# Allegro board 1155001-Timing_board_V3_20241024_1805_pcb.brd
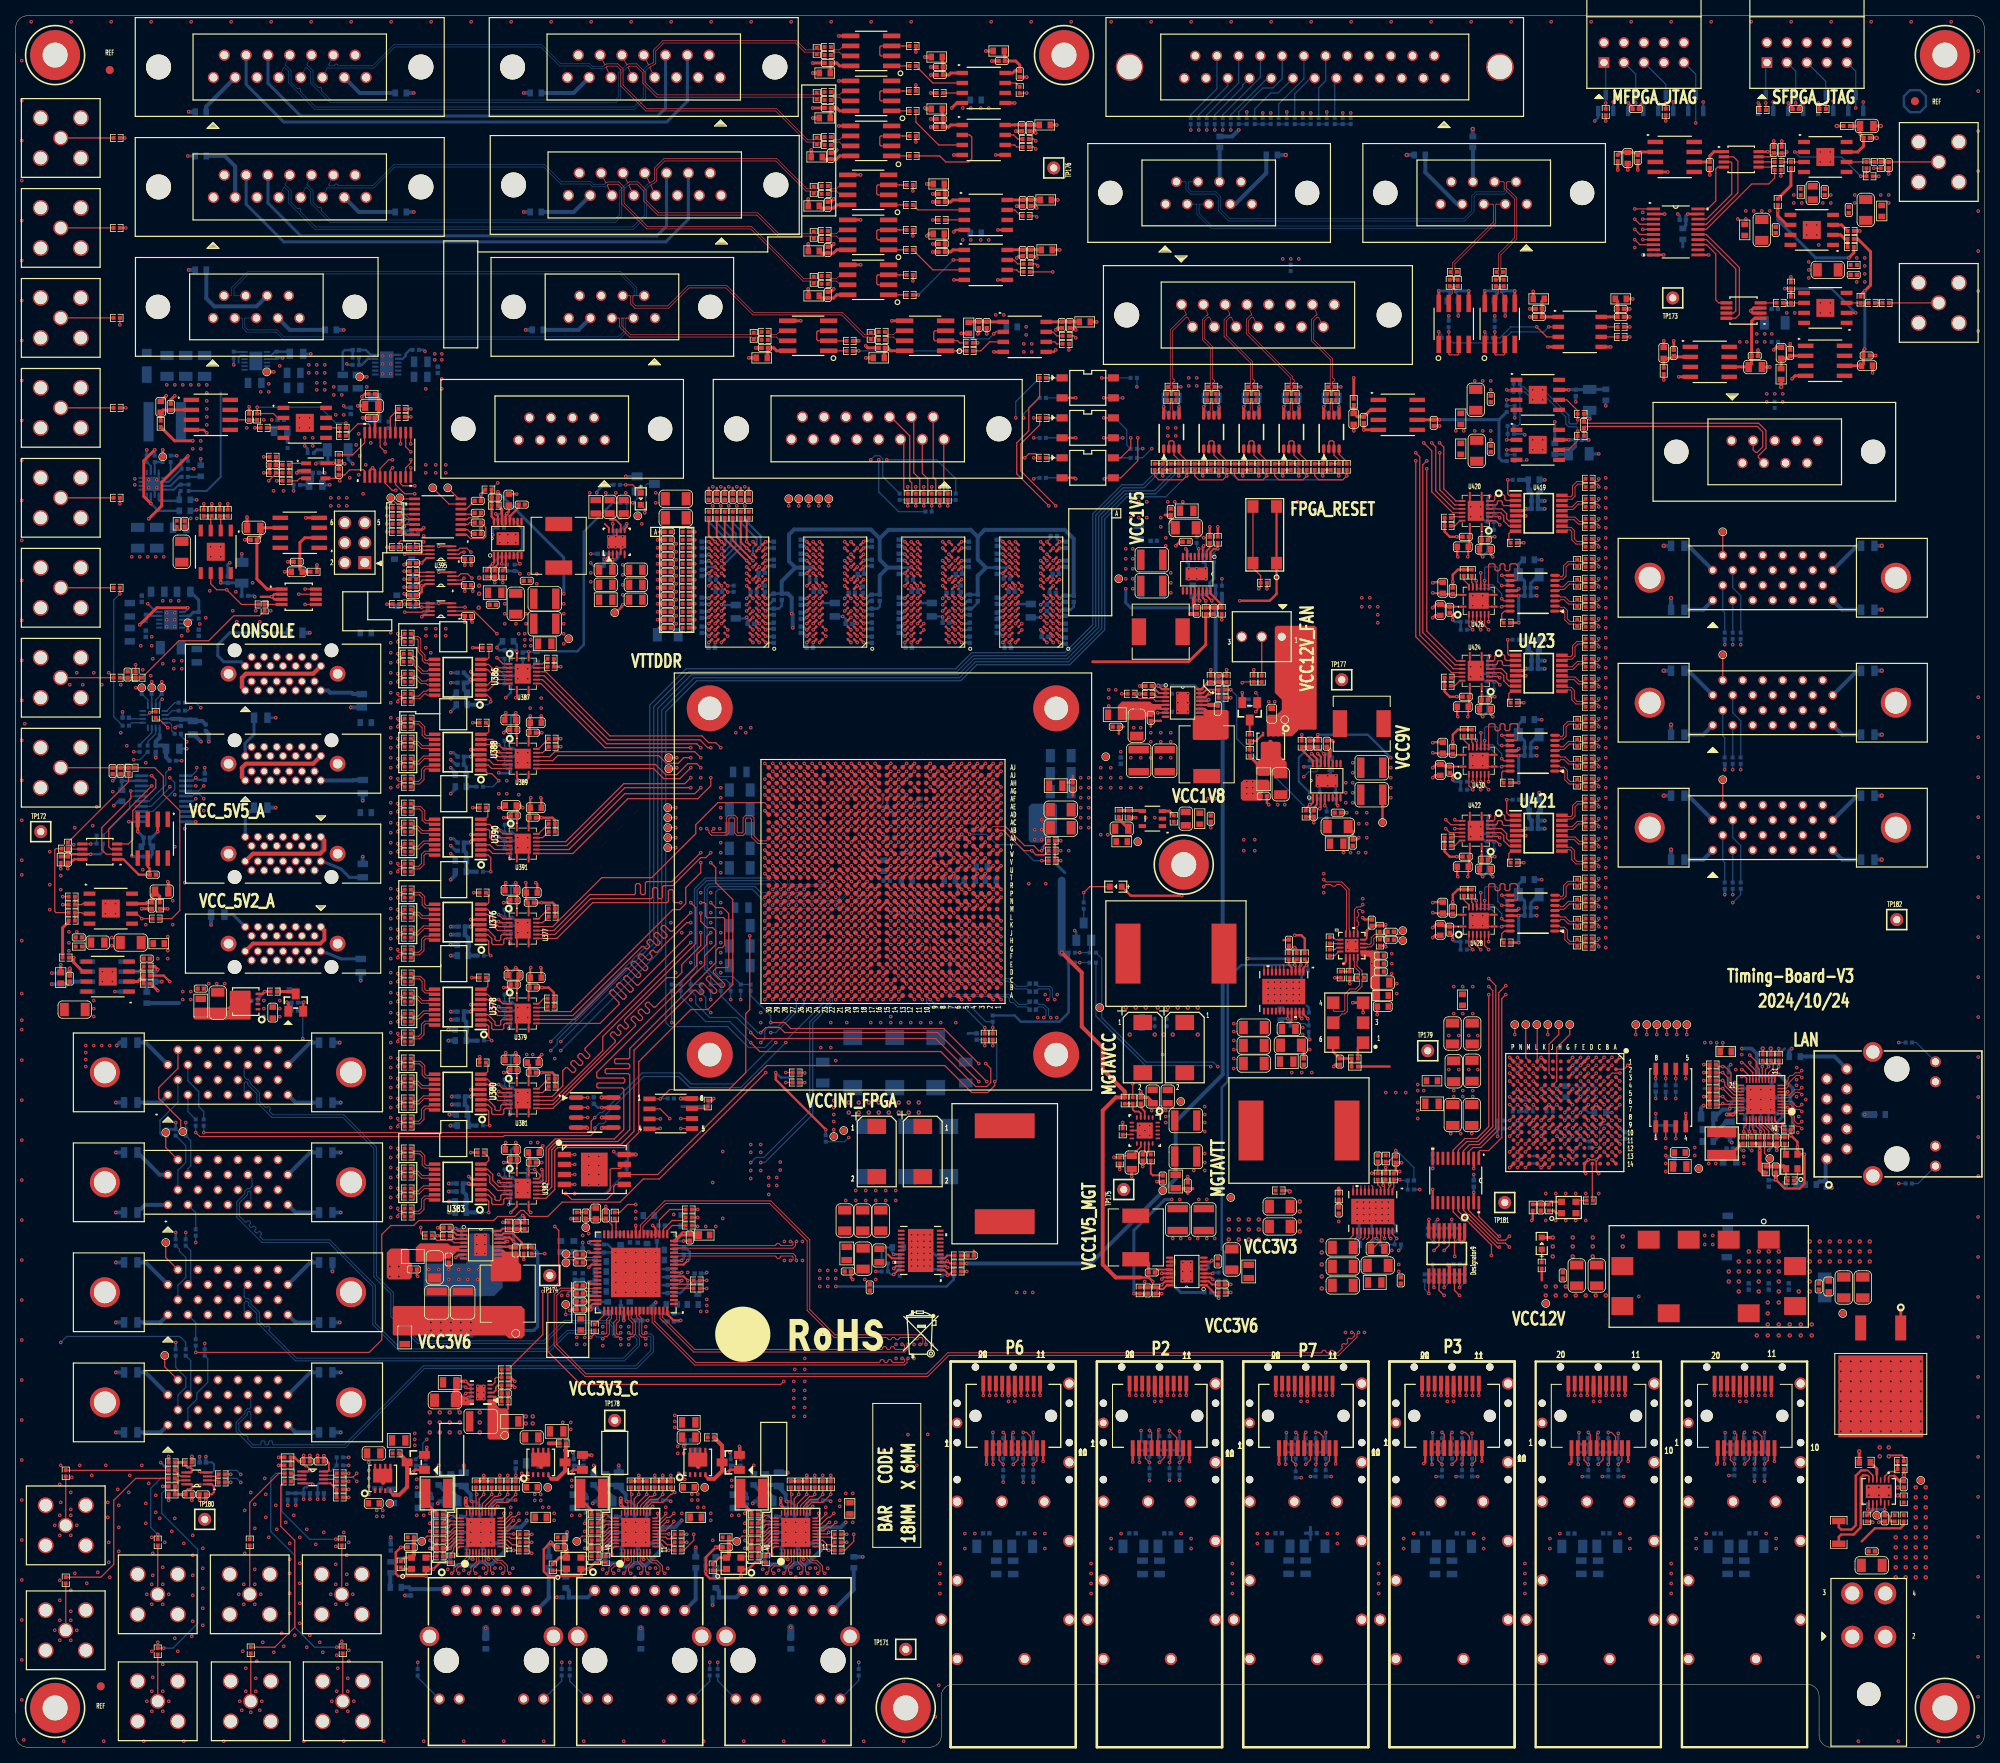
[diagram p0: board, top side]
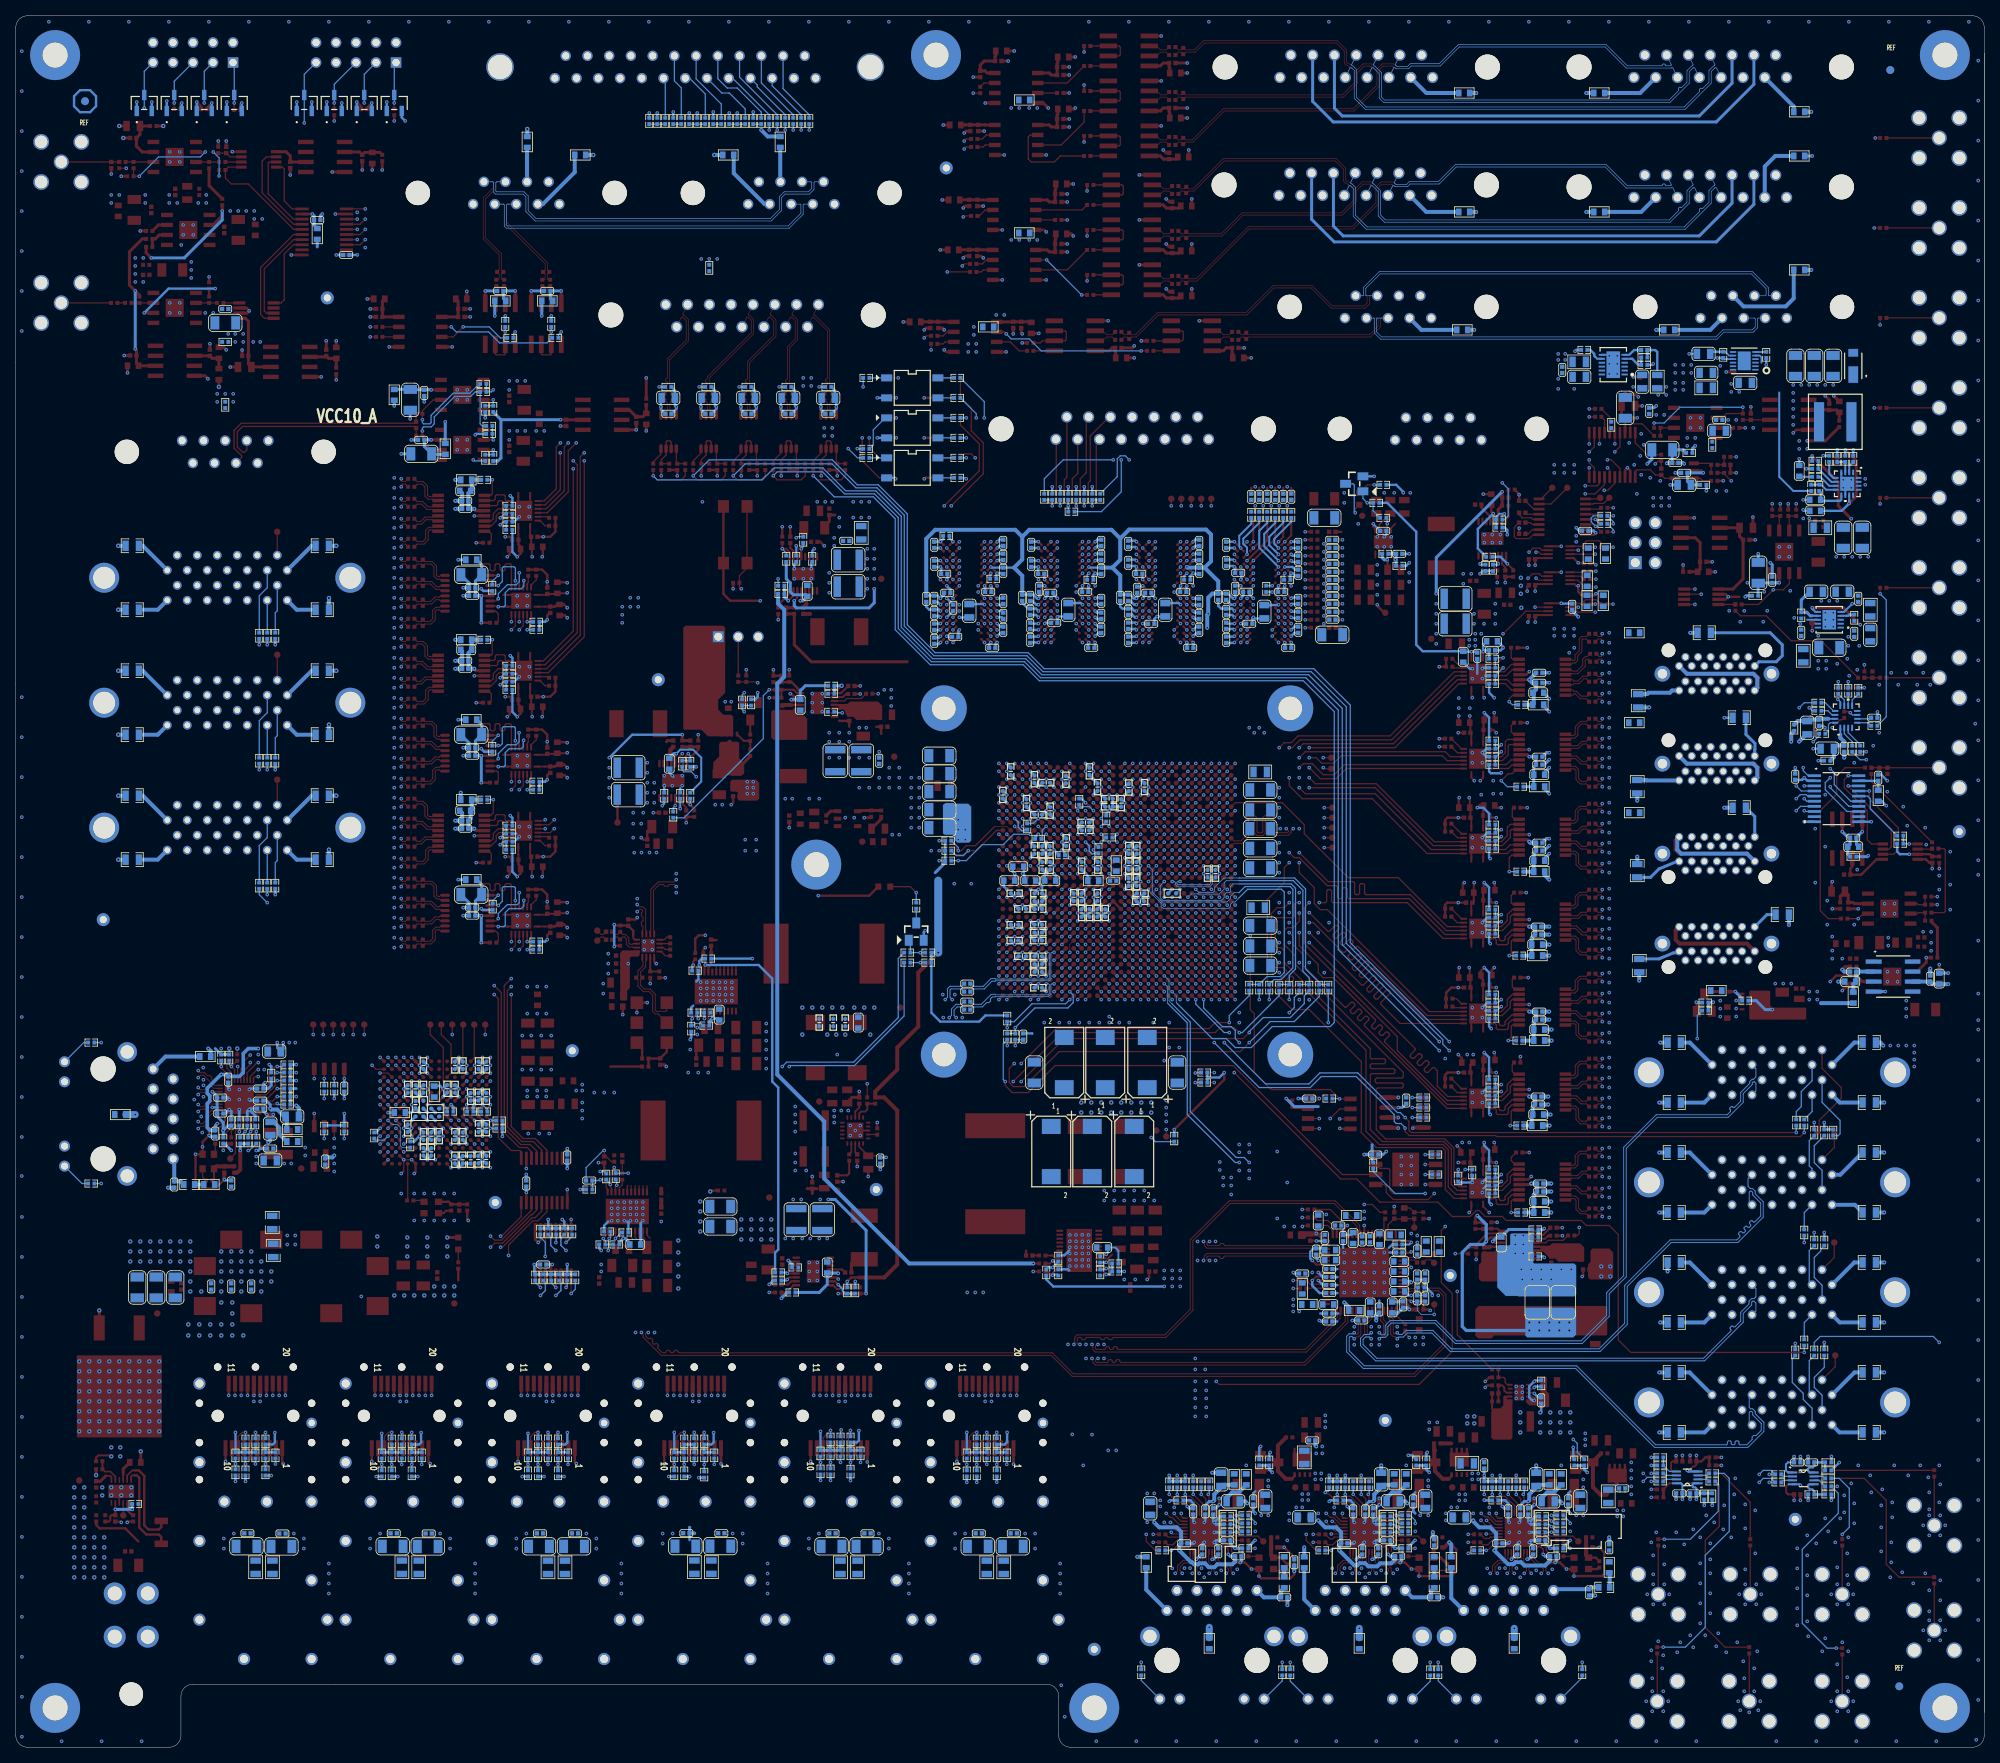
[diagram p1: board, bottom side, seen from below]

Outline 250 x 220 mm; copper layers: TOP, GND02, ART03, GND04, ART05, POWR06, GND07, ART08, GND09, ART10, GND11, BOTTOM. Coordinates in mm from the lower left corner of the outline.
Outline path: 0,4.45 0,215.21 ; 0,218.5 arc(0.44,219.56) 1.5,220 248.5,220 arc(249.56,219.56) 250,218.5 250,1.5 arc(249.56,0.44) 248.5,0 230.52,0 arc(229.46,0.44) 229.02,1.5 229.02,6.5 arc(228.58,7.56) 227.52,8 119.05,8 arc(117.99,7.56) 117.55,6.5 117.55,1.5 arc(117.11,0.44) 116.04,0 1.5,0 arc(0.44,0.44) 0,1.5 0,218.5

## Design rules (mm)
net group AD5445_DB0: nets AD5445_DB0 N22722605
net group AD5445_DB1: nets AD5445_DB1 N22722607
net group AD5592_1_SPI_CLK: nets AD5592_1_SPI_CLK N22756034
net group AD5592_1_SPI_CS_B: nets AD5592_1_SPI_CS_B N22756394
net group AD5592_1_SPI_MISO: nets AD5592_1_SPI_MISO N22756028
net group AD5592_1_SPI_MOSI: nets AD5592_1_SPI_MOSI N22756036
net group BPSI_CLK_N_C: nets BPSI_CLK_N_C N23784328
net group BPSI_CLK_P_C: nets BPSI_CLK_P_C N23784308
net group BPSI_DATA0_N_C: nets BPSI_DATA0_N_C N23784248
net group BPSI_DATA0_P_C: nets BPSI_DATA0_P_C N23784228
net group BPSI_DATA1_N_C: nets BPSI_DATA1_N_C N23784288
net group BPSI_DATA1_P_C: nets BPSI_DATA1_P_C N23784268
net group BPSR2_CLK_N_C: nets BPSR2_CLK_N_C N23785890
net group BPSR2_CLK_P_C: nets BPSR2_CLK_P_C N23785870
net group BPSR2_DATA0_N_C: nets BPSR2_DATA0_N_C N23784368
net group BPSR2_DATA0_P_C: nets BPSR2_DATA0_P_C N23784348
net group BPSR2_DATA1_N_C: nets BPSR2_DATA1_N_C N23785850
net group BPSR2_DATA1_P_C: nets BPSR2_DATA1_P_C N23785830
net group BPSR_CLK_N_C: nets BPSR_CLK_N_C N23786170
net group BPSR_CLK_P_C: nets BPSR_CLK_P_C N23786150
net group BPSR_DATA0_N_C: nets BPSR_DATA0_N_C N23785930
net group BPSR_DATA0_P_C: nets BPSR_DATA0_P_C N23785910
net group BPSR_DATA1_N_C: nets BPSR_DATA1_N_C N23785970
net group BPSR_DATA1_P_C: nets BPSR_DATA1_P_C N23785950
net group CHAN2_N: nets CHAN2_N N25862429
net group CHAN2_P: nets CHAN2_P N25862427
net group CLOCK_N: nets CLOCK_N N25861540
net group CLOCK_P: nets CLOCK_P N25861538
net group DDR_POWER_GOOD: nets DDR_POWER_GOOD N16721374
net group DIFFPAIR1: nets N21945396 N21945398
net group DIFFPAIR2: nets N21945416 N21945418
net group EDS_CLK_N_C: nets EDS_CLK_N_C N23786210
net group EDS_CLK_P_C: nets EDS_CLK_P_C N23786190
net group EDS_TC_N_C: nets EDS_TC_N_C N23786250
net group EDS_TC_P_C: nets EDS_TC_P_C N23786230
net group EDS_TFG_N_C: nets EDS_TFG_N_C N23786290
net group EDS_TFG_P_C: nets EDS_TFG_P_C N23786270
net group FAN_FG: nets FAN_FG N25859061
net group FAST_SHUTTER_IN1+: nets FAST_SHUTTER_IN1+ N22839532
net group FAST_SHUTTER_IN1-: nets FAST_SHUTTER_IN1- N22839549
net group FAST_SHUTTER_IN2+: nets FAST_SHUTTER_IN2+ N22841333
net group FAST_SHUTTER_IN2-: nets FAST_SHUTTER_IN2- N22841335
net group FAST_SHUTTER_IN3+: nets FAST_SHUTTER_IN3+ N22841405
net group FAST_SHUTTER_IN3-: nets FAST_SHUTTER_IN3- N22841407
net group FAST_SHUTTER_OUT1-: nets FAST_SHUTTER_OUT1- N22839904
net group FAST_SHUTTER_OUT2-: nets FAST_SHUTTER_OUT2- N22840048
net group FAST_SHUTTER_OUT3-: nets FAST_SHUTTER_OUT3- N22840201
net group FPGA_1_25M_OSC_ETH: nets FPGA_1_25M_OSC_ETH N23572119
net group FPGA_1_ETH_INTB: nets FPGA_1_ETH_INTB N23571394
net group FPGA_1_ETH_PWR_EN: nets FPGA_1_ETH_PWR_EN N23568741
net group FPGA_1_ETH_RESET_B: nets FPGA_1_ETH_RESET_B N23571396
net group FPGA_2_25M_OSC_ETH: nets FPGA_2_25M_OSC_ETH N23151813
net group FPGA_2_ETH_INTB: nets FPGA_2_ETH_INTB N23151086
net group FPGA_2_ETH_PWR_EN: nets FPGA_2_ETH_PWR_EN N23160087
net group FPGA_2_ETH_RESET_B: nets FPGA_2_ETH_RESET_B N23151088
net group FPGA_3_25M_OSC_ETH: nets FPGA_3_25M_OSC_ETH N23152488
net group FPGA_3_ETH_INTB: nets FPGA_3_ETH_INTB N23152345
net group FPGA_3_ETH_PWR_EN: nets FPGA_3_ETH_PWR_EN N23163264
net group FPGA_3_ETH_RESET_B: nets FPGA_3_ETH_RESET_B N23152346
net group FPGA_CCLK_SFPGA: nets FPGA_CCLK_R FPGA_CCLK_SFPGA
net group FPGA_CONFIG_D1: nets FPGA_CONFIG_D1 FPGA_CONFIG_D1_R
net group FPGA_MASTER_CLOCK: nets FPGA_MASTER_CLOCK_N FPGA_MASTER_CLOCK_P
net group FPGA_RGMII_MDC: nets FPGA_RGMII_MDC FPGA_RGMII_MDC_R
net group FPGA_RGMII_MDIO: nets FPGA_RGMII_MDIO FPGA_RGMII_MDIO_R
net group FPGA_SFP1_RX: nets FPGA_SFP1_RX_N FPGA_SFP1_RX_P
net group FPGA_SFP1_TX: nets FPGA_SFP1_TX_N FPGA_SFP1_TX_P
net group FPGA_SFP2_RX: nets FPGA_SFP2_RX_N FPGA_SFP2_RX_P
net group FPGA_SFP2_TX: nets FPGA_SFP2_TX_N FPGA_SFP2_TX_P
net group FPGA_SFP3_RX: nets FPGA_SFP3_RX_N FPGA_SFP3_RX_P
net group FPGA_SFP3_TX: nets FPGA_SFP3_TX_N FPGA_SFP3_TX_P
net group FPGA_SFP4_RX: nets FPGA_SFP4_RX_N FPGA_SFP4_RX_P
net group FPGA_SFP4_TX: nets FPGA_SFP4_TX_N FPGA_SFP4_TX_P
net group FPGA_SFP5_RX_: nets FPGA_SFP5_RX_N FPGA_SFP5_RX_P
net group FPGA_SFP5_TX_: nets FPGA_SFP5_TX_N FPGA_SFP5_TX_P
net group FPGA_SFP6_RX_: nets FPGA_SFP6_RX_N FPGA_SFP6_RX_P
net group FPGA_SFP6_TX_: nets FPGA_SFP6_TX_N FPGA_SFP6_TX_P
net group FPGA_TDI_1_GPIO_IN1: nets FPGA_TDI_1_GPIO_IN1 N25719277
net group FPGA_TDI_2_GPIO_IN1: nets FPGA_TDI_2_GPIO_IN1 N25719281
net group FPGA_TDI_3_GPIO_IN1: nets FPGA_TDI_3_GPIO_IN1 N25722784
net group FPGA_TDI_4_GPIO_IN1: nets FPGA_TDI_4_GPIO_IN1 N25722803
net group HMC7044_1_CLK: nets HMC7044_1_CLK_N HMC7044_1_CLK_P
net group HMC7044_1_CLK_C: nets HMC7044_1_CLK_C_N HMC7044_1_CLK_C_P
net group HMC7044_1_CLKIN0_C_N: nets HMC7044_1_CLKIN0_C_N N21905901
net group HMC7044_1_CLKIN0_C_P: nets HMC7044_1_CLKIN0_C_P N21905899
net group HMC7044_1_GPIO1_R: nets HMC7044_1_GPIO1 HMC7044_1_GPIO1_R
net group HMC7044_1_GPIO2_R: nets HMC7044_1_GPIO2 HMC7044_1_GPIO2_R
net group HMC7044_1_RESET_R: nets HMC7044_1_RESET HMC7044_1_RESET_R
net group HMC7044_1_SCLK_R: nets HMC7044_1_SCLK HMC7044_1_SCLK_R
net group HMC7044_1_SDATA_R: nets HMC7044_1_SDATA HMC7044_1_SDATA_R
net group HMC7044_1_SLEN_R: nets HMC7044_1_SLEN HMC7044_1_SLEN_R
net group HMC7044_1_SYNC_R: nets HMC7044_1_SYNC_R HMC7044_SYNC
net group J77: nets BPSI_DATA0_P BPSI_DATA1_P
net group J80: nets BPSR_DATA0_P BPSR_DATA1_P
net group J81: nets EDS_TC_P EDS_TFG_P
net group J104: nets BPSR2_DATA0_P BPSR2_DATA1_P
net group MGTAVCC_PG: nets MGTAVCC_PG N16769495
net group MGTAVTT_PG: nets MGTAVTT_PG N16774481
net group MOTO_VOLTAGE_OUT: nets MOTO_VOLTAGE_OUT RC_C
net group N932133: nets N932121 N932133
net group N16776070: nets N16771812 N16776070
net group N22240229: nets N22239679 N22240229
net group N22755962: nets N22755962 N22756117
net group N22755964: nets N22755964 N22756119
net group N22755966: nets N22755966 N22756121
net group N22807003: nets N22807003 N22807040
net group N23151747: nets N23151585 N23151747
net group N23152471: nets N23152456 N23152471
net group N23559055: nets N23559054 N23559055
net group N23559075: nets N23559082 N23559084
net group N23572053: nets N23571891 N23572053
net group NC_VREF_R: nets NC_VREFN_R NC_VREFP_R
net group POWER: nets VCC3V3_C_BUF1 VCC12V_FAN
net group RF_ENABLE_S: nets N22758493 RF_ENABLE_S
net group RF_FPS_TRIGGER_5_N: nets N25692356 RF_FPS_TRIGGER_5_N
net group RF_FPS_TRIGGER_5_P: nets N25692336 RF_FPS_TRIGGER_5_P
net group RF_FPS_TRIGGER_6_N: nets N25695659 RF_FPS_TRIGGER_6_N
net group RF_FPS_TRIGGER_6_P: nets N25695639 RF_FPS_TRIGGER_6_P
net group RF_FPS_TRIGGER_7_N: nets N25699142 RF_FPS_TRIGGER_7_N
net group RF_FPS_TRIGGER_7_P: nets N25699134 RF_FPS_TRIGGER_7_P
net group RF_MOD_IN_FIXED_5_N: nets N25692417 RF_MOD_IN_FIXED_5_N
net group RF_MOD_IN_FIXED_5_P: nets N25692437 RF_MOD_IN_FIXED_5_P
net group RF_MOD_IN_FIXED_6_N: nets N25695671 RF_MOD_IN_FIXED_6_N
net group RF_MOD_IN_FIXED_6_P: nets N25695691 RF_MOD_IN_FIXED_6_P
net group RF_MOD_IN_FIXED_7_N: nets N25699166 RF_MOD_IN_FIXED_7_N
net group RF_MOD_IN_FIXED_7_P: nets N25699174 RF_MOD_IN_FIXED_7_P
net group RF_MOD_IN_VARIABLE_5_N: nets N25692518 RF_MOD_IN_VARIABLE_5_N
net group RF_MOD_IN_VARIABLE_5_P: nets N25692498 RF_MOD_IN_VARIABLE_5_P
net group RF_MOD_IN_VARIABLE_6_N: nets N25695723 RF_MOD_IN_VARIABLE_6_N
net group RF_MOD_IN_VARIABLE_6_P: nets N25695703 RF_MOD_IN_VARIABLE_6_P
net group RF_MOD_IN_VARIABLE_7_N: nets N25699206 RF_MOD_IN_VARIABLE_7_N
net group RF_MOD_IN_VARIABLE_7_P: nets N25699198 RF_MOD_IN_VARIABLE_7_P
net group RF_SYNC_1_N_C: nets N24001369 RF_SYNC_1_N_C
net group RF_SYNC_1_P_C: nets N24001349 RF_SYNC_1_P_C
net group RF_SYNC_2_N_C: nets N25621097 RF_SYNC_2_N_C
net group RF_SYNC_2_P_C: nets N25621077 RF_SYNC_2_P_C
net group RF_SYNC_3_N_C: nets N23774966 RF_SYNC_3_N_C
net group RF_SYNC_3_P_C: nets N23774946 RF_SYNC_3_P_C
net group RF_SYNC_4_N_C: nets N24000812 RF_SYNC_4_N_C
net group RF_SYNC_4_P_C: nets N24000792 RF_SYNC_4_P_C
net group RF_SYNC_5_N_C: nets N25626838 RF_SYNC_5_N_C
net group RF_SYNC_5_P_C: nets N25626822 RF_SYNC_5_P_C
net group RF_SYNC_6_N_C: nets N25628210 RF_SYNC_6_N_C
net group RF_SYNC_6_P_C: nets N25628171 RF_SYNC_6_P_C
net group RF_SYNC_7_N_C: nets N25630810 RF_SYNC_7_N_C
net group RF_SYNC_7_P_C: nets N25630759 RF_SYNC_7_P_C
net group RS422_MOTOR_RX_N: nets N25840300 RS422_MOTOR_RX_N
net group RS422_MOTOR_RX_P: nets N25840302 RS422_MOTOR_RX_P
net group RS422_MOTOR_TX_N: nets N25858035 RS422_MOTOR_TX_N
net group RS422_MOTOR_TX_P: nets N25858037 RS422_MOTOR_TX_P
net group S_FPGA_CLK: nets N932083 S_FPGA_CLK
net group S_FPGA_QSPI_CLK: nets N929679 S_FPGA_QSPI_CLK
net group SAFETY_IN1+: nets N22761857 SAFETY_IN1+
net group SAFETY_IN1-: nets N22761237 SAFETY_IN1-
net group SAFETY_IN2+: nets N22761862 SAFETY_IN2+
net group SAFETY_IN2-: nets N22761223 SAFETY_IN2-
net group SAFETY_IN3+: nets N22761867 SAFETY_IN3+
net group SAFETY_IN3-: nets N22761206 SAFETY_IN3-
net group SAFETY_OUT1-: nets N22761806 SAFETY_OUT1-
net group SAFETY_OUT2-: nets N22761811 SAFETY_OUT2-
net group SAFETY_OUT3-: nets N22761816 SAFETY_OUT3-
net group SFP_MGT_REFCLK0: nets SFP_MGT_REFCLK0_N SFP_MGT_REFCLK0_P
net group SFP_MGT_REFCLK0_C: nets SFP_MGT_REFCLK0_C_N SFP_MGT_REFCLK0_C_P
net group SFP_MGT_REFCLK1: nets SFP_MGT_REFCLK1_N SFP_MGT_REFCLK1_P
net group SFP_MGT_REFCLK1_C: nets SFP_MGT_REFCLK1_C_N SFP_MGT_REFCLK1_C_P
net group SFPGA_25M_OSC_ETH: nets N23559051 SFPGA_25M_OSC_ETH
net group SFPGA_ETH_INTB: nets N23559182 SFPGA_ETH_INTB
net group SFPGA_ETH_RESET_B: nets N23559071 SFPGA_ETH_RESET_B
net group SFPGA_RGMII_MDC: nets N23559251 SFPGA_RGMII_MDC
net group SFPGA_RGMII_MDIO: nets N21908350 SFPGA_RGMII_MDIO
net group SYNC_N: nets N25859955 SYNC_N
net group SYNC_P: nets N25859953 SYNC_P
net group TDI_1_SYNC_GPIO_OUT: nets N25726079 TDI_1_SYNC_GPIO_OUT
net group TDI_2_SYNC_GPIO_OUT: nets N25726096 TDI_2_SYNC_GPIO_OUT
net group TDI_3_SYNC_GPIO_OUT: nets N23170572 TDI_3_SYNC_GPIO_OUT
net group TDI_4_SYNC_GPIO_OUT: nets N23170609 TDI_4_SYNC_GPIO_OUT
net group TIMING_SPI_CLK_5_N: nets N25692204 TIMING_SPI_CLK_5_N
net group TIMING_SPI_CLK_5_P: nets N25692228 TIMING_SPI_CLK_5_P
net group TIMING_SPI_CLK_6_N: nets N25695607 TIMING_SPI_CLK_6_N
net group TIMING_SPI_CLK_6_P: nets N25695627 TIMING_SPI_CLK_6_P
net group TIMING_SPI_CLK_7_N: nets N25699102 TIMING_SPI_CLK_7_N
net group TIMING_SPI_CLK_7_P: nets N25699110 TIMING_SPI_CLK_7_P
net group TIMING_SPI_CSN_1_N_C: nets N24001329 TIMING_SPI_CSN_1_N_C
net group TIMING_SPI_CSN_1_P_C: nets N24001309 TIMING_SPI_CSN_1_P_C
net group TIMING_SPI_CSN_2_N_C: nets N25621069 TIMING_SPI_CSN_2_N_C
net group TIMING_SPI_CSN_2_P_C: nets N25621053 TIMING_SPI_CSN_2_P_C
net group TIMING_SPI_CSN_3_N_C: nets N23774882 TIMING_SPI_CSN_3_N_C
net group TIMING_SPI_CSN_3_P_C: nets N23774855 TIMING_SPI_CSN_3_P_C
net group TIMING_SPI_CSN_4_N_C: nets N24000442 TIMING_SPI_CSN_4_N_C
net group TIMING_SPI_CSN_4_P_C: nets N24000422 TIMING_SPI_CSN_4_P_C
net group TIMING_SPI_CSN_5_N_C: nets N25626758 TIMING_SPI_CSN_5_N_C
net group TIMING_SPI_CSN_5_P_C: nets N25626731 TIMING_SPI_CSN_5_P_C
net group TIMING_SPI_CSN_6_N_C: nets N25628126 TIMING_SPI_CSN_6_N_C
net group TIMING_SPI_CSN_6_P_C: nets N25628103 TIMING_SPI_CSN_6_P_C
net group TIMING_SPI_CSN_7_N_C: nets N25630714 TIMING_SPI_CSN_7_N_C
net group TIMING_SPI_CSN_7_P_C: nets N25630703 TIMING_SPI_CSN_7_P_C
net group TIMING_SPI_MISO_1_N_C: nets N24001409 TIMING_SPI_MISO_1_N_C
net group TIMING_SPI_MISO_1_P_C: nets N24001389 TIMING_SPI_MISO_1_P_C
net group TIMING_SPI_MISO_2_N_C: nets N25621152 TIMING_SPI_MISO_2_N_C
net group TIMING_SPI_MISO_2_P_C: nets N25621136 TIMING_SPI_MISO_2_P_C
net group TIMING_SPI_MISO_3_N_C: nets N23999493 TIMING_SPI_MISO_3_N_C
net group TIMING_SPI_MISO_3_P_C: nets N23999473 TIMING_SPI_MISO_3_P_C
net group TIMING_SPI_MISO_4_N_C: nets N24000852 TIMING_SPI_MISO_4_N_C
net group TIMING_SPI_MISO_4_P_C: nets N24000832 TIMING_SPI_MISO_4_P_C
net group TIMING_SPI_MISO_5_N_C: nets N25626475 TIMING_SPI_MISO_5_N_C
net group TIMING_SPI_MISO_5_P_C: nets N25626459 TIMING_SPI_MISO_5_P_C
net group TIMING_SPI_MISO_6_N_C: nets N25627835 TIMING_SPI_MISO_6_N_C
net group TIMING_SPI_MISO_6_P_C: nets N25627819 TIMING_SPI_MISO_6_P_C
net group TIMING_SPI_MISO_7_N_C: nets N25630423 TIMING_SPI_MISO_7_N_C
net group TIMING_SPI_MISO_7_P_C: nets N25630415 TIMING_SPI_MISO_7_P_C
net group TIMING_SPI_MOSI_1_N_C: nets N24001014 TIMING_SPI_MOSI_1_N_C
net group TIMING_SPI_MOSI_1_P_C: nets N24000994 TIMING_SPI_MOSI_1_P_C
net group TIMING_SPI_MOSI_2_N_C: nets N25621017 TIMING_SPI_MOSI_2_N_C
net group TIMING_SPI_MOSI_2_P_C: nets N25620997 TIMING_SPI_MOSI_2_P_C
net group TIMING_SPI_MOSI_3_N_C: nets N23774821 TIMING_SPI_MOSI_3_N_C
net group TIMING_SPI_MOSI_3_P_C: nets N23774747 TIMING_SPI_MOSI_3_P_C
net group TIMING_SPI_MOSI_4_N_C: nets N24000402 TIMING_SPI_MOSI_4_N_C
net group TIMING_SPI_MOSI_4_P_C: nets N24000382 TIMING_SPI_MOSI_4_P_C
net group TIMING_SPI_MOSI_5_N_C: nets N25626697 TIMING_SPI_MOSI_5_N_C
net group TIMING_SPI_MOSI_5_P_C: nets N25626611 TIMING_SPI_MOSI_5_P_C
net group TIMING_SPI_MOSI_6_N_C: nets N25628069 TIMING_SPI_MOSI_6_N_C
net group TIMING_SPI_MOSI_6_P_C: nets N25627983 TIMING_SPI_MOSI_6_P_C
net group TIMING_SPI_MOSI_7_N_C: nets N25630669 TIMING_SPI_MOSI_7_N_C
net group TIMING_SPI_MOSI_7_P_C: nets N25630571 TIMING_SPI_MOSI_7_P_C
net group TO_DATA_ACQ_1_CLK_: nets TO_DATA_ACQ_1_CLK_N TO_DATA_ACQ_1_CLK_P
net group TO_DATA_ACQ_2_CLK_: nets TO_DATA_ACQ_2_CLK_N TO_DATA_ACQ_2_CLK_P
net group TO_DATA_ACQ_3_CLK_: nets TO_DATA_ACQ_3_CLK_N TO_DATA_ACQ_3_CLK_P
net group TO_DATA_ACQ_4_CLK_: nets TO_DATA_ACQ_4_CLK_N TO_DATA_ACQ_4_CLK_P
net group TO_DATA_ACQ_5_CLK_: nets TO_DATA_ACQ_5_CLK_N TO_DATA_ACQ_5_CLK_P
net group TO_DATA_ACQ_6_CLK_: nets TO_DATA_ACQ_6_CLK_N TO_DATA_ACQ_6_CLK_P
net group TO_DATA_ACQ_7_CLK_: nets TO_DATA_ACQ_7_CLK_N TO_DATA_ACQ_7_CLK_P
net group TRIG_IO2: nets N25856602 TRIG_IO2
net group UART_RX: nets N25617309 UART_RX
net group UART_RX_RS232: nets N25617566 UART_RX_RS232
net group UART_TX: nets N25617307 UART_TX
net group UART_TX_RS232: nets N25617244 UART_TX_RS232
net group VCC1V5_MGT_PG: nets N16770359 VCC1V5_MGT_PG
net group VCC3V3_C_PG: nets N22807038 VCC3V3_C_PG
net group VCC3V3_PG: nets N22804791 VCC3V3_PG
net group VCC3V6_PG: nets N22225338 VCC3V6_PG
net group VCC5V_PG: nets N22627147 VCC5V_PG
net group VCC9V_PG: nets N16725153 VCC9V_PG
net group VCC12V_FAN_EN: nets N16895382 VCC12V_FAN_EN
net group VCXO_100M: nets VCXO_100M_N VCXO_100M_P
net group W_ENCODER_MA_IN+: nets N24945608 W_ENCODER_MA_IN+
net group W_ENCODER_MA_IN-: nets N24945602 W_ENCODER_MA_IN-
net group W_ENCODER_SLO_IN+: nets N24948635 W_ENCODER_SLO_IN+
net group W_ENCODER_SLO_IN-: nets N24948629 W_ENCODER_SLO_IN-
net group X_ENCODER_A_IN+: nets N24950391 X_ENCODER_A_IN+
net group X_ENCODER_A_IN-: nets N24950385 X_ENCODER_A_IN-
net group X_ENCODER_B_IN+: nets N24951716 X_ENCODER_B_IN+
net group X_ENCODER_B_IN-: nets N24951710 X_ENCODER_B_IN-
net group X_ENCODER_MA_IN+: nets N25911928 X_ENCODER_MA_IN+
net group X_ENCODER_MA_IN-: nets N25911922 X_ENCODER_MA_IN-
net group X_ENCODER_SLO_IN+: nets N25912309 X_ENCODER_SLO_IN+
net group X_ENCODER_SLO_IN-: nets N25912303 X_ENCODER_SLO_IN-
net group X_ENCODER_Z_IN+: nets N24952118 X_ENCODER_Z_IN+
net group X_ENCODER_Z_IN-: nets N24952108 X_ENCODER_Z_IN-
net group Z_ENCODER_A_IN+: nets N24958080 Z_ENCODER_A_IN+
net group Z_ENCODER_A_IN-: nets N24958074 Z_ENCODER_A_IN-
net group Z_ENCODER_B_IN+: nets N24958243 Z_ENCODER_B_IN+
net group Z_ENCODER_B_IN-: nets N24958225 Z_ENCODER_B_IN-
net group Z_ENCODER_Z_IN+: nets N24958406 Z_ENCODER_Z_IN+
net group Z_ENCODER_Z_IN-: nets N24958384 Z_ENCODER_Z_IN-
net group 3W: nets AD7680_SCLK BPSI_CLK_P BPSI_CLK_P_H BPSR2_CLK_P BPSR2_CLK_P_H BPSR_CLK_P BPSR_CLK_P_H EDS_CLK_P EDS_CLK_P_H FPGA_RESET FPGA_SFP1_IIC_SCL FPGA_SFP2_IIC_SCL FPGA_SFP3_IIC_SCL FPGA_SFP4_IIC_SCL MAX5216_CLK QSPI_CLK TMP75_IIC_SCL
net group 40OHM: nets DDR3_A_D0 DDR3_A_D1 DDR3_A_D2 DDR3_A_D3 DDR3_A_D4 DDR3_A_D5 DDR3_A_D6 DDR3_A_D7 DDR3_A_D8 DDR3_A_D9 DDR3_A_D10 DDR3_A_D11 DDR3_A_D12 DDR3_A_D13 DDR3_A_D14 DDR3_A_D15 DDR3_A_D16 DDR3_A_D17 DDR3_A_D18 DDR3_A_D19 DDR3_A_D20 DDR3_A_D21 DDR3_A_D22 DDR3_A_D23 DDR3_A_D24 DDR3_A_D25 DDR3_A_D26 DDR3_A_D27 DDR3_A_D28 DDR3_A_D29 DDR3_A_D30 DDR3_A_D31 DDR3_A_D32 DDR3_A_D33 DDR3_A_D34 DDR3_A_D35 DDR3_A_D36 DDR3_A_D37 DDR3_A_D38 DDR3_A_D39 DDR3_A_D40 DDR3_A_D41 DDR3_A_D42 DDR3_A_D43 DDR3_A_D44 DDR3_A_D45 DDR3_A_D46 DDR3_A_D47 DDR3_A_D48 DDR3_A_D49 DDR3_A_D50 DDR3_A_D51 DDR3_A_D52 DDR3_A_D53 DDR3_A_D54 DDR3_A_D55 DDR3_A_D56 DDR3_A_D57 DDR3_A_D58 DDR3_A_D59 DDR3_A_D60 DDR3_A_D61 DDR3_A_D62 DDR3_A_D63 DDR3_A_DM0 DDR3_A_DM1 DDR3_A_DM2 DDR3_A_DM3 DDR3_A_DM4 DDR3_A_DM5 DDR3_A_DM6 DDR3_A_DM7 DDR3_A_RESET_B
net group FAST_SHUTTER_OUT1+: nets FAST_SHUTTER_OUT1 FAST_SHUTTER_OUT1+ N22839848
net group FAST_SHUTTER_OUT2+: nets FAST_SHUTTER_OUT2 FAST_SHUTTER_OUT2+ N22839992
net group FAST_SHUTTER_OUT3+: nets FAST_SHUTTER_OUT3 FAST_SHUTTER_OUT3+ N22840145
net group FPGA_2_ETH_TD: nets FPGA_2_ETH_TD_M_A FPGA_2_ETH_TD_M_B FPGA_2_ETH_TD_M_C FPGA_2_ETH_TD_M_D FPGA_2_ETH_TD_P_A FPGA_2_ETH_TD_P_B FPGA_2_ETH_TD_P_C FPGA_2_ETH_TD_P_D
net group FPGA_3_ETH_TD: nets FPGA_3_ETH_TD_M_A FPGA_3_ETH_TD_M_B FPGA_3_ETH_TD_M_C FPGA_3_ETH_TD_M_D FPGA_3_ETH_TD_P_A FPGA_3_ETH_TD_P_B FPGA_3_ETH_TD_P_C FPGA_3_ETH_TD_P_D
net group FPGA_CONFIG_D0: nets FPGA_CONFIG_D0 FPGA_CONFIG_D0_R QSPI_MISO0
net group FPGA_CONFIG_D2: nets FPGA_CONFIG_D2 FPGA_CONFIG_D2_R QSPI_MISO2